# Altium PCB COPY_HIVE_BOARD.PcbDoc (part 4 of 9)
Units mm, origin at the board's own origin, x right, y up, seen from the top; angles counter-clockwise.
Board outline 110 x 110 mm, 8 copper layers (Top, GND_1, Signal_1, GND_2, PWR, Signal_2, GND_3, Bottom), stack 1.6 mm thick; 674 components, 473 nets, 2528 pads, 2100 vias.
Unrouted connection lines stored in the file: 14.
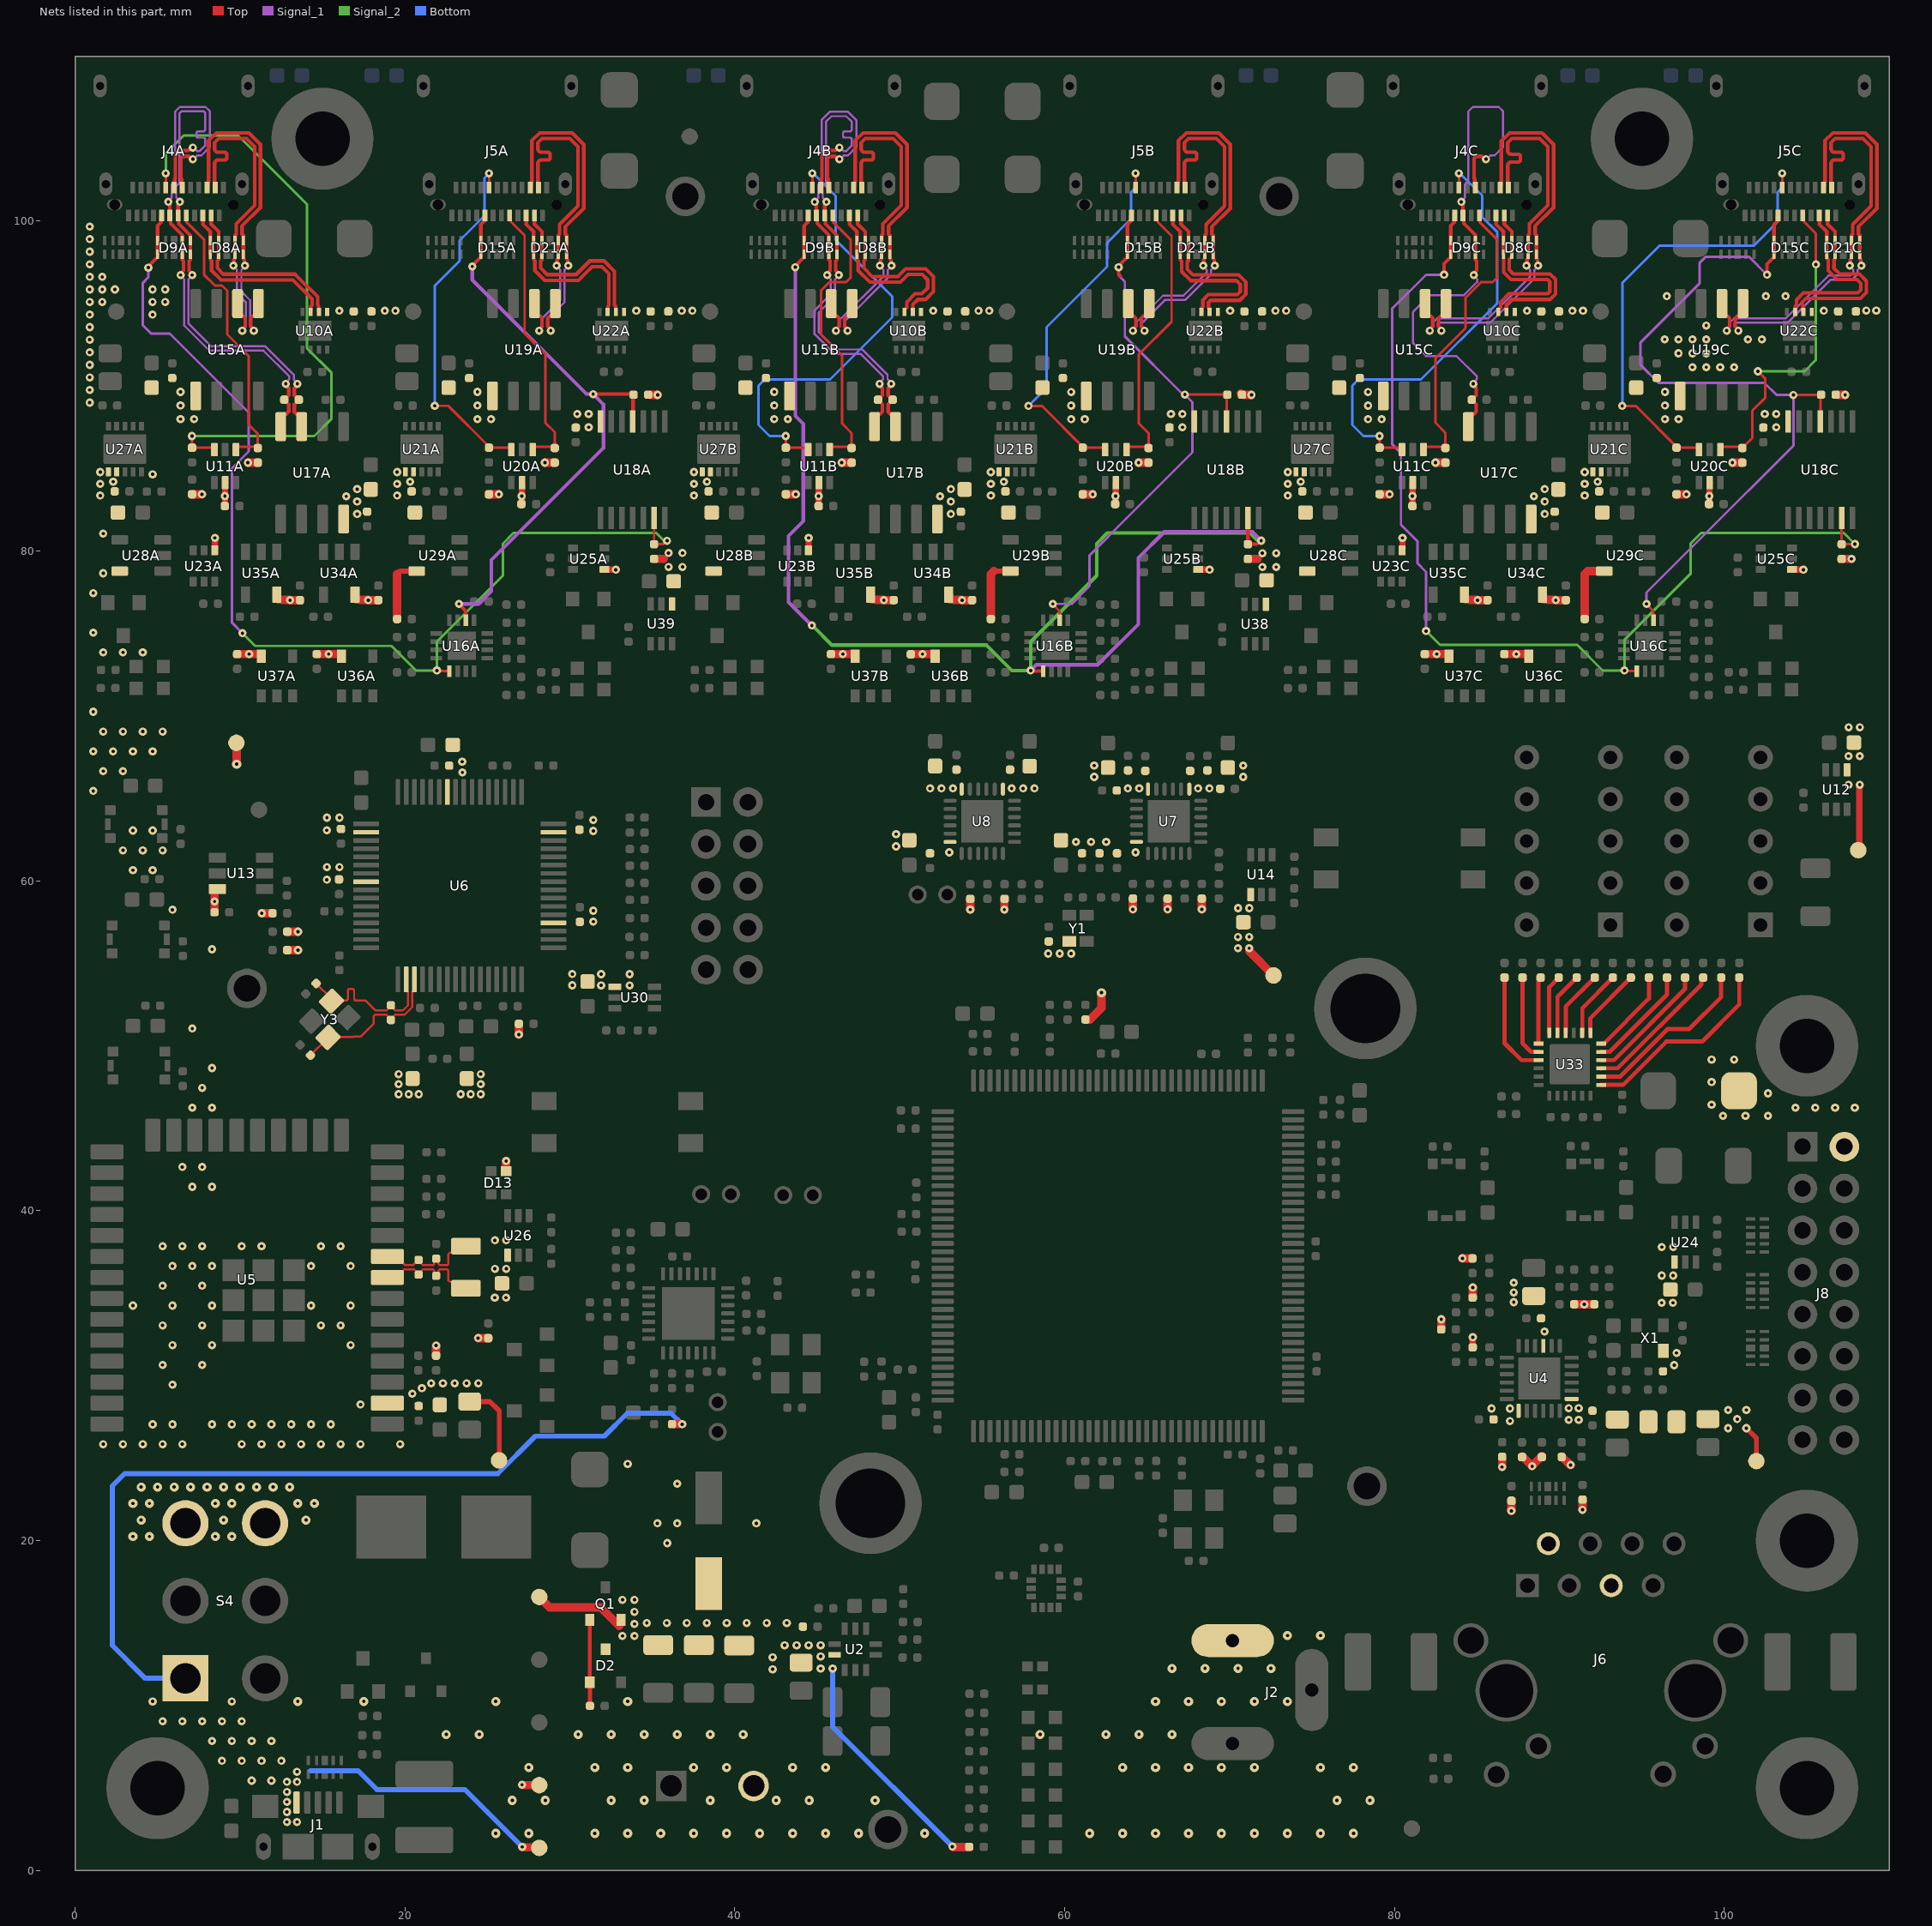
[diagram p10: the nets of this part, all layers, seen from the top]

## Via types
v1: diameter 0.5, hole 0.2, Top to Bottom, tented both sides, 1950 vias
v2: diameter 0.55, hole 0.2, Top to Bottom, tented both sides, 104 vias
v3: diameter 0.5, hole 0.2, Top to Bottom, 41 vias
v4: diameter 0.5, hole 0.2, Top to Bottom, tented bottom, 5 vias

## Nets (pads, with @x,y where several pads share a name; then routed paths per layer and width w, separated by ;. In a path a pad name is that pad's centre, name@x,y a point inside that pad or via, vN(x,y) a via of type N, cw(c..) or ccw(c..) an arc to the next point about the centre after c; other vN are vias at no path point) (continued)
3V3_CH: C108A.2 C108B.2 C108C.2 C109A.2 C109B.2 C109C.2 C110A.1 C110B.1 C110C.1 C112.1 C113A.2 C113B.2 C113C.2 C114A.1 C114B.1 C114C.1 C115A.1 C115B.1 C115C.1 C118A.1 C118B.1 C118C.1 C119A.1 C119B.1 C119C.1 C120A.1 C120B.1 C120C.1 C121A.1 C121B.1 C121C.1 C122A.1 C122B.1 C122C.1 C125A.2 C125B.2 C125C.2 C126A.2 C126B.2 C126C.2 C145A.1 C145B.1 C145C.1 C146A.1 C146B.1 C146C.1 C150A.1 C150B.1 C150C.1 C151A.1 C151B.1 C151C.1 C153.1 C155.1 R93A.1 R93B.1 R93C.1 R95A.1 R95B.1 R95C.1 R99A.1 R99B.1 R99C.1 R112A.1 R112B.1 R112C.1 R117A.1 R117B.1 R117C.1 R119A.1 R119B.1 R119C.1 TP17.1 U10A.5 U10B.5 U10C.5 U11A.5 U11B.5 U11C.5 U12.1 U15A.1 U15B.1 U15C.1 U17A.8 U17B.8 U17C.8 U18A.14 U18B.14 U18C.14 U19A.1 U19B.1 U19C.1 U20A.5 U20B.5 U20C.5 U22A.5 U22B.5 U22C.5 U23A.1 U23B.1 U23C.1 U25A.1 U25B.1 U25C.1 U34A.5 U34B.5 U34C.5 U35A.5 U35B.5 U35C.5 U36A.5 U36B.5 U36C.5 U37A.5 U37B.5 U37C.5 U38.1 U39.1 | length 45.3
  Top w0.381: v1(8.478,80.793) 8.478,80.193 U23A.1@8.484,80.188 ; C110A.1@9.062,82.842 9.093,82.874 9.093,84.137 U11A.5@9.102,84.146 ; C120A.1@27.062,82.842 27.093,82.874 27.093,84.137 U20A.5@27.102,84.146 ; U25A.1@32.182,78.867 v1(32.782,78.867) ; v1(44.478,80.793) 44.478,80.193 U23B.1@44.484,80.188 ; C110B.1@45.062,82.842 45.093,82.874 45.093,84.137 U11B.5@45.102,84.146 ; C120B.1@63.062,82.842 63.093,82.874 63.093,84.137 U20B.5@63.102,84.146 ; U25B.1@68.182,78.867 v1(68.782,78.867) ; v1(80.478,80.793) 80.478,80.193 U23C.1@80.484,80.188 ; C110C.1@81.062,82.842 81.093,82.874 81.093,84.137 U11C.5@81.102,84.146 ; C120C.1@99.062,82.842 99.093,82.874 99.093,84.137 U20C.5@99.102,84.146 ; U25C.1@104.182,78.867 v1(104.782,78.867) ; TP17.1@108.109,61.865 108.184,61.939 108.184,65.808 v1(108.206,65.831)
  Top w0.508: R93A.1@7.089,83.434 R93A.1@7.095,83.44 v1(7.695,83.44) ; C151A.1@9.83,73.749 11.272,73.749 11.293,73.728 U37A.5@11.293,73.615 ; v1(10.482,85.356) R95A.1@11.082,85.356 R95A.1@11.088,85.362 ; U35A.5@12.234,77.358 12.234,77.133 12.318,77.048 12.543,77.048 12.549,77.042 13.013,77.042 v1(13.035,77.019) C146A.1@13.635,77.019 C146A.1@13.641,77.025 ; C150A.1@14.656,73.749 U36A.5@16.098,73.749 ; U34A.5@16.973,77.358 16.973,77.133 17.057,77.048 17.282,77.048 17.288,77.042 17.752,77.042 v1(17.775,77.019) 18.375,77.019 C118A.1@18.38,77.025 ; R112A.1@25.089,83.434 R112A.1@25.095,83.44 v1(25.695,83.44) ; v1(28.482,85.356) R117A.1@29.082,85.356 R117A.1@29.088,85.362 ; R119A.1@34.848,89.467 v1(35.32,89.467) ; R99A.1@35.105,79.521 35.705,79.521 ; R93B.1@43.089,83.434 R93B.1@43.095,83.44 v1(43.695,83.44) ; C151B.1@45.83,73.749 47.272,73.749 47.293,73.728 U37B.5@47.293,73.615 ; v1(46.482,85.356) R95B.1@47.082,85.356 R95B.1@47.088,85.362 ; U35B.5@48.234,77.358 48.234,77.133 48.318,77.048 48.543,77.048 48.549,77.042 49.013,77.042 v1(49.035,77.019) C146B.1@49.635,77.019 C146B.1@49.641,77.025 ; C150B.1@50.656,73.749 U36B.5@52.098,73.749 ; U34B.5@52.973,77.358 52.973,77.133 53.057,77.048 53.282,77.048 53.288,77.042 53.752,77.042 v1(53.775,77.019) 54.375,77.019 C118B.1@54.38,77.025 ; R112B.1@61.089,83.434 R112B.1@61.095,83.44 v1(61.695,83.44) ; v1(64.482,85.356) R117B.1@65.082,85.356 R117B.1@65.088,85.362 ; R119B.1@70.684,89.541 R119B.1@70.748,89.477 ; R119B.1@70.848,89.467 v1(71.32,89.467) ; R99B.1@71.105,79.521 71.705,79.521 ; R93C.1@79.089,83.434 R93C.1@79.095,83.44 v1(79.695,83.44) ; C151C.1@81.83,73.749 v1(82.551,73.749) 83.272,73.749 83.293,73.728 U37C.5@83.293,73.615 ; v1(82.482,85.356) R95C.1@83.082,85.356 R95C.1@83.088,85.362 ; U35C.5@84.234,77.358 84.234,77.133 84.318,77.048 84.543,77.048 84.549,77.042 85.013,77.042 v1(85.035,77.019) C146C.1@85.635,77.019 C146C.1@85.641,77.025 ; C150C.1@86.656,73.749 U36C.5@88.098,73.749 ; U34C.5@88.973,77.358 88.973,77.133 89.057,77.048 89.282,77.048 89.288,77.042 89.752,77.042 v1(89.775,77.019) 90.375,77.019 C118C.1@90.38,77.025 ; R112C.1@97.089,83.434 R112C.1@97.095,83.44 v1(97.695,83.44) ; v1(100.482,85.356) R117C.1@101.082,85.356 R117C.1@101.088,85.362 ; R119C.1@106.848,89.467 v1(107.32,89.467) ; R99C.1@107.105,79.521 v1(107.705,79.521)
  other v1: 107.519,65.831 107.519,67.562 108.206,67.562 107.529,69.311 108.212,69.311 10.551,73.749 15.377,73.749 46.551,73.749 51.377,73.749 87.377,73.749 35.984,79.037 36.826,79.037 71.984,79.026 72.826,79.026 71.984,79.868 72.826,79.868 35.984,79.879 36.826,79.879 17.101,82.245 53.101,82.245 89.101,82.245 17.101,82.999 53.101,82.999 89.101,82.999 9.08,83.328 16.444,83.314 27.081,83.328 45.08,83.328 52.444,83.314 63.081,83.328 81.08,83.328 88.444,83.314 99.081,83.328 17.101,83.753 53.101,83.753 89.101,83.753 31.14,87.503 67.14,87.503 103.14,87.503 6.391,87.993 7.217,87.993 24.391,87.993 25.217,87.993 42.391,87.993 43.217,87.993 60.393,87.991 61.22,87.991 78.393,87.991 79.22,87.991 96.391,87.993 97.217,87.993 30.442,88.305 31.14,88.305 66.442,88.305 67.14,88.305 102.442,88.305 103.14,88.305 6.391,88.819 24.391,88.819 42.391,88.819 60.393,88.817 78.393,88.817 96.391,88.819 6.391,89.646 24.391,89.646 42.391,89.646 60.393,89.643 78.393,89.643 96.391,89.646 16.027,94.564 18.779,94.564 19.426,94.564 34.027,94.564 36.779,94.564 37.426,94.564 52.027,94.564 54.779,94.564 55.426,94.564 70.027,94.564 72.779,94.564 73.426,94.564 88.027,94.564 90.779,94.564 91.426,94.564 106.027,94.564 108.599,94.579 109.206,94.579
3V3_CL: C87.1 C88.2 C89.2 C92.2 C93.2 C95.2 C98.2 C99.2 C100.1 C101.2 C102.2 C103.2 C104.2 C105.1 C106.2 C107.1 C116.1 C130.2 C131.1 C132.1 R80.2 R81.2 R85.2 R87.2 R89.2 R182.2 TP11.1 U7.6 U7.19 U7.24 U8.6 U8.19 U8.24 U14.1 Y1.4 | length 7.7
  Top w0.508: v1(54.275,58.262) R87.2@54.275,58.913 ; v1(56.346,58.262) R89.2@56.346,58.913 ; R182.2@61.258,51.593 61.537,51.593 62.229,52.286 v2(62.229,53.22) ; v1(64.135,58.277) R81.2@64.135,58.928 ; v1(66.238,58.277) R80.2@66.238,58.928 ; v1(68.311,58.277) R85.2@68.311,58.928 ; v1(71.184,55.917) 71.184,55.745 TP11.1@72.662,54.268
  other v1: 58.999,55.593 59.695,55.593 60.392,55.593 70.501,55.917 70.501,56.6 71.184,56.6 70.507,58.348 71.194,58.348 53.001,61.726 64.301,61.726 49.78,62.092 60.68,62.369 61.598,62.369 62.516,62.369 49.78,62.834 51.84,65.608 52.53,65.608 53.22,65.608 56.788,65.608 57.478,65.608 58.168,65.608 63.83,65.608 64.52,65.608 68.088,65.608 68.778,65.608 61.786,66.306 70.821,66.306 61.786,66.996 70.821,66.996
3V3_DEB: C55.1 C57.1 C58.1 C69.1 C79.1 C84.1 C90.1 C137.1 L4.1 L6.1 R66.2 R67.2 R68.2 R69.2 TP20.1 U6.20 U6.31 U6.42 U6.50 U6.56 U13.6 U30.1 | length 5.5
  Top w0.508: C84.1@8.457,58.098 v1(8.457,58.749) 8.457,59.46 8.503,59.506 U13.6@8.636,59.506 ; TP20.1@9.782,68.372 9.792,68.361 9.792,67.089 v2(9.8,67.081) ; v1(11.322,58.04) R67.2@11.974,58.04 ; R69.2@12.865,55.804 v1(13.516,55.804) ; R68.2@12.865,56.922 v1(13.516,56.922) ; v1(26.906,50.685) R66.2@26.906,51.336
  other v1: 19.62,47.065 20.229,47.065 20.839,47.065 23.379,47.065 23.988,47.065 24.598,47.065 19.62,47.675 24.598,47.675 19.62,48.284 24.598,48.284 31.895,53.661 33.627,53.661 30.147,53.671 31.895,54.349 33.627,54.349 30.147,54.354 31.42,57.531 31.42,58.191 15.265,60.068 15.27,60.836 16.03,60.836 31.42,63.031 15.265,63.068 31.42,63.691 15.27,63.836 16.03,63.836 23.481,66.579 23.47,67.223
3V3_ETH: C34.2 C50.2 C59.2 C65.1 C134.1 L3.1 R45.2 R53.2 R58.2 R60.2 R73.2 R156.2 TP19.1 U4.9 U24.1 X1.4 | length 5.9
  Top w0.305: v1(101.329,26.82) 101.935,26.214 TP19.1@101.935,24.823
  Top w0.381: R73.2@84.737,31.72 v1@84.737,32.334
  Top w0.508: R45.2@82.828,32.808 v1@82.828,33.422 ; v1@84.111,37.112 R156.2@84.725,37.112 ; R60.2@84.737,34.734 v1@84.737,35.348 ; R53.2@90.888,34.33 R58.2@92.117,34.33
  other v1: 100.226,26.82 100.778,27.372 100.226,27.923 101.329,27.923 96.956,30.642 97.094,31.379 84.742,32.334 89.089,32.68 82.833,33.422 91.503,34.325 96.193,34.417 96.876,34.417 87.224,34.459 87.224,35.052 84.742,35.348 87.224,35.645 96.201,36.069 96.888,36.069 84.111,37.117 96.201,37.801 96.888,37.801
3V3_PHY: C39.1 C40.1 C51.1 C52.1 C53.1 J6.2 J6.5 L3.2 R41.2 R42.2 R43.2 R44.2 U4.1 U4.19 | length 4.4
  Top w0.381: R41.2@87.726,25.072 87.726,25.126 R41.2@87.753,25.099 ; v1@88.328,24.525 v1(88.341,24.511) ; R43.2@90.132,25.072 R43.2@90.132,25.111 ; v1@90.656,24.587 v1(90.678,24.587)
  Top w0.508: v1@86.523,24.469 R42.2@86.523,25.083 ; v1@87.086,21.805 C39.1@87.086,22.419 ; R41.2@87.753,25.099 v1@88.328,24.525 ; v1@88.314,24.511 R44.2@88.929,25.126 ; R43.2@90.132,25.111 v1@90.656,24.587 ; v1@91.396,21.875 C40.1@91.396,22.489
  other v1: 87.081,21.805 91.391,21.875 86.518,24.469 86.995,27.251 90.558,27.326 91.162,27.326 85.877,28.016 86.995,28.016 90.558,28.03 91.162,28.03
3V3_WR: C62.2 C63.1 C64.2 C138.1 D13.3 R91.2 R92.2 TP18.1 U5.2 U26.1 | length 6.8
  Top w0.305: C62.2@23.926,28.433 25.15,28.433 25.719,27.864 TP18.1@25.719,24.978
  Top w0.508: R91.2@21.889,31.215 v1@21.889,31.83 ; v1@24.437,32.278 R92.2@25.051,32.278 ; D13.3@26.129,42.407 v1@26.129,43.021
  other v1: 20.448,28.911 21.029,29.239 21.587,29.54 22.304,29.54 23.021,29.54 23.738,29.54 24.455,29.54 21.894,31.83 24.437,32.283 25.449,34.73 26.132,34.73 25.454,36.479 26.142,36.479 25.454,38.211 26.142,38.211 26.134,43.021
5V: C32.2 C33.2 C35.2 C76.2 C111A.1 C111B.1 C111C.1 C124A.2 C124B.2 C124C.2 C139A.1 C139B.1 C139C.1 C140A.2 C140B.2 C140C.2 C147.1 D2.3 D27.1 J8.2 Q1.2 R11.1 R21.2 R107A.1 R107B.1 R107C.1 TP2.1 U2.2 U21A.1 U21A.2 U21B.1 U21B.2 U21C.1 U21C.2 U27A.1 U27A.2 U27B.1 U27B.2 U27C.1 U27C.2 U28A.5 U28B.5 U28C.5 U29A.5 U29B.5 U29C.5 | length 32.3
  Top w0.305: 19.528,78.602 19.706,78.781 U29A.5@20.713,78.781 ; 55.706,78.781 U29B.5@56.713,78.781
  Top w0.508: R107A.1@19.528,75.874 19.528,78.602 ; TP2.1@28.143,16.586 28.778,15.951 31.877,15.951 Q1.2@32.993,14.835 ; v1@53.22,1.426 R11.1@54.198,1.426 ; R107B.1@55.528,75.874 55.528,78.602 55.706,78.781 ; R107C.1@91.528,75.874 91.528,78.602 91.706,78.781 U29C.5@92.713,78.781
  Bottom w0.305: v1(45.932,12.251) 45.932,8.714 v1(53.192,1.455)
  other v1: 42.29,12.201 45.204,12.251 42.29,12.929 45.204,12.979 43.019,13.658 43.747,13.658 44.475,13.658 45.204,13.658 33.189,14.226 33.917,14.226 33.917,14.954 34.663,15.011 35.875,15.011 37.087,15.011 38.299,15.011 39.511,15.011 40.723,15.011 41.935,15.011 43.147,15.011 33.917,15.683 33.189,16.411 33.917,16.411 35.906,19.852 35.306,21.052 36.506,21.052 41.306,21.052 36.506,23.452 33.506,24.652 1.706,25.852 2.906,25.852 4.106,25.852 5.306,25.852 6.506,25.852 10.106,25.852 11.306,25.852 12.506,25.852 13.706,25.852 14.906,25.852 16.106,25.852 17.306,25.852 19.706,25.852 4.706,27.052 5.906,27.052 8.306,27.052 9.506,27.052 10.706,27.052 11.906,27.052 13.106,27.052 14.306,27.052 15.506,27.052 17.306,28.252 5.906,29.452 5.306,30.652 7.706,30.652 5.906,31.852 8.306,31.852 16.706,31.852 5.306,33.052 7.706,33.052 14.906,33.052 16.106,33.052 3.506,34.252 5.906,34.252 8.306,34.252 14.306,34.252 16.706,34.252 5.306,35.452 7.706,35.452 5.906,36.652 7.106,36.652 8.306,36.652 14.306,36.652 16.706,36.652 5.306,37.852 6.506,37.852 7.706,37.852 10.106,37.852 11.306,37.852 14.906,37.852 16.106,37.852 7.106,41.452 8.306,41.452 6.506,42.652 7.706,42.652 99.907,45.751 101.272,45.751 102.638,45.751 7.106,46.252 8.306,46.252 104.306,46.252 105.506,46.252 106.706,46.252 107.906,46.252 99.224,46.434 102.638,47.117 7.706,47.452 99.224,47.8 8.306,48.652 99.224,49.166 100.59,49.166 7.106,51.052 8.306,55.852 5.906,58.252 3.506,60.652 4.706,60.652 2.906,61.852 4.106,61.852 5.306,61.852 3.506,63.052 4.706,63.052 1.106,65.452 1.706,66.652 2.906,66.652 1.106,67.852 2.306,67.852 3.506,67.852 4.706,67.852 1.706,69.052 2.906,69.052 4.106,69.052 5.306,69.052 1.106,70.252 1.706,73.852 2.906,73.852 4.106,73.852 1.106,75.052 1.106,77.452 1.706,78.652 1.706,81.052 1.524,83.363 19.524,83.363 37.524,83.363 55.524,83.363 73.524,83.363 91.524,83.363 1.524,84.074 19.524,84.074 37.524,84.074 55.524,84.074 73.524,84.074 91.524,84.074 2.311,84.201 20.311,84.201 38.311,84.201 56.311,84.201 74.311,84.201 92.311,84.201 4.706,84.652 1.524,84.785 19.524,84.785 37.524,84.785 55.524,84.785 73.524,84.785 91.524,84.785 0.889,88.998 0.889,89.76 0.889,90.523 98.056,91.144 98.898,91.144 99.74,91.144 100.583,91.144 0.889,91.285 97.214,91.986 98.056,91.986 98.898,91.986 0.889,92.048 0.889,92.81 96.372,92.828 97.214,92.828 98.056,92.828 98.898,92.828 101.425,92.828 102.267,92.828 0.889,93.572 98.898,93.67 0.889,94.335 4.701,94.335 0.889,95.097 1.651,95.097 4.701,95.097 5.463,95.097 96.506,95.452 102.506,95.452 103.706,95.452 0.889,95.86 1.651,95.86 2.413,95.86 4.701,95.86 5.463,95.86 0.889,96.622 1.651,96.622 0.889,97.384 0.889,98.147 0.889,98.909 0.889,99.672
5V_CONN: J2.1 J3.2 S4.3 S4.6 TP3.1 | length 1
  Top w0.508: v1@27.129,5.176 TP3.1@28.107,5.176
  other v1: 27.101,5.204
  other v2: 25.507,2.252 27.507,2.252 31.507,2.252 33.507,2.252 35.507,2.252 37.507,2.252 39.507,2.252 41.507,2.252 43.507,2.252 45.507,2.252 47.507,2.252 51.507,2.252 61.507,2.252 63.507,2.252 65.507,2.252 67.507,2.252 69.507,2.252 71.507,2.252 73.507,2.252 75.507,2.252 77.507,2.252 26.507,4.252 28.507,4.252 32.507,4.252 34.507,4.252 38.507,4.252 42.507,4.252 44.507,4.252 48.507,4.252 76.507,4.252 78.507,4.252 27.507,6.252 31.507,6.252 33.507,6.252 37.507,6.252 39.507,6.252 43.507,6.252 45.507,6.252 63.507,6.252 65.507,6.252 67.507,6.252 69.507,6.252 71.507,6.252 75.507,6.252 77.507,6.252 22.507,8.252 24.507,8.252 30.507,8.252 32.507,8.252 34.507,8.252 36.507,8.252 38.507,8.252 40.507,8.252 58.507,8.252 62.507,8.252 64.507,8.252 66.507,8.252 13.507,10.252 17.507,10.252 25.507,10.252 33.507,10.252 65.507,10.252 67.507,10.252 69.507,10.252 71.507,10.252 73.507,10.252 66.507,12.252 68.507,12.252 70.507,12.252 72.507,12.252 73.507,14.252 75.507,14.252 3.507,20.252 4.507,20.252 8.507,20.252 9.507,20.252 4.007,21.252 9.007,21.252 14.007,21.252 3.507,22.252 4.507,22.252 8.507,22.252 9.507,22.252 13.507,22.252 14.507,22.252 4.007,23.252 5.007,23.252 6.007,23.252 7.007,23.252 8.007,23.252 9.007,23.252 10.007,23.252 11.007,23.252 12.007,23.252 13.007,23.252
5V_POL_G: D2.1 Q1.1 R12.1 | length 5.2
  Top w0.254: Q1.1@31.206,15.196 D2.1@31.206,11.417 31.213,11.41 31.213,9.987 R12.1@31.22,9.98
5V_USB: J1.1 R7.1 S4.1 TP1.1 | length 68
  Top w0.508: v1(27.109,1.431) 27.137,1.403 28.115,1.403 TP1.1@28.143,1.375 ; R7.1@36.191,27.063 v1@36.806,27.063
  Bottom w0.305: S4.1@6.692,11.653 4.256,11.653 2.26,13.649 2.26,23.316 3.006,24.062 25.634,24.062 27.908,26.336 32.089,26.336 33.485,27.732 36.132,27.732 v1(36.806,27.058) ; 14.268,6.056 17.157,6.056 18.302,4.911 23.629,4.911 v1(27.109,1.431)
  other v1: 12.848,2.942 13.458,2.942 12.848,3.551 12.848,4.161 12.848,4.77 12.848,5.38 13.458,5.38 10.706,5.452 11.906,5.452 13.458,5.99 8.906,6.652 10.106,6.652 11.306,6.652 12.506,6.652 8.306,7.852 9.506,7.852 10.706,7.852 11.906,7.852 5.306,9.052 6.506,9.052 7.706,9.052 8.906,9.052 10.106,9.052 4.706,10.252 9.506,10.252
7SEG_A_0: R136.1 U33.5 | length 6.5
  Top w0.254: U33.5@92.524,49.636 93.034,49.636 96.517,53.119 R136.1@96.517,54.138
7SEG_A_1: R135.1 U33.13 | length 4.1
  Top w0.254: U33.13@88.724,50.136 88.724,53.994 88.854,54.124 R135.1@88.854,54.138
7SEG_B_0: R138.1 U33.6 | length 5.3
  Top w0.254: U33.6@92.524,50.136 92.69,50.136 92.704,50.15 95.423,52.868 R138.1@95.423,54.138
7SEG_B_1: R137.1 U33.14 | length 5.2
  Top w0.254: R137.1@87.759,54.138 87.759,50.154 88.27,49.643 88.717,49.643 U33.14@88.724,49.636
7SEG_C_0: R140.1 U33.7 | length 4.4
  Top w0.254: U33.7@91.874,50.786 91.874,51.684 R140.1@94.328,54.138
7SEG_C_1: R139.1 U33.15 | length 6.5
  Top w0.254: R139.1@86.664,54.138 86.664,50.159 87.687,49.136 U33.15@88.724,49.136
7SEG_D_0: R142.1 U33.4 | length 7.6
  Top w0.254: U33.4@92.524,49.136 93.303,49.136 97.612,53.445 R142.1@97.612,54.138
7SEG_D_1: R141.1 U33.12 | length 3.6
  Top w0.254: U33.12@89.374,50.786 89.374,53.563 R141.1@89.949,54.138
7SEG_E_0: R144.1 U33.3 | length 8.6
  Top w0.254: U33.3@92.524,48.636 92.531,48.643 93.525,48.643 98.596,53.714 98.596,54.026 R144.1@98.707,54.138
7SEG_E_1: R143.1 U33.11 | length 3.8
  Top w0.254: U33.11@89.874,50.786 89.874,52.968 R143.1@91.043,54.138
7SEG_F_0: R146.1 U33.1 | length 12
  Top w0.254: U33.1@92.524,47.636 93.852,47.636 96.474,50.258 98.651,50.258 100.897,52.504 R146.1@100.897,54.138
7SEG_F_1: R145.1 U33.8 | length 4.1
  Top w0.254: U33.8@91.374,50.786 91.385,50.797 91.385,52.289 R145.1@93.233,54.138
7SEG_G_0: R148.1 U33.2 | length 10.5
  Top w0.254: U33.2@92.524,48.136 92.531,48.143 93.685,48.143 96.559,51.017 97.866,51.017 99.802,52.953 R148.1@99.802,54.138
7SEG_G_1: R147.1 U33.10 | length 4.1
  Top w0.254: U33.10@90.374,50.786 90.374,52.373 R147.1@92.138,54.138
12M_X_N: C75.2 R70.1 U6.3 Y3.3 | length 9.4
  Top w0.127: C75.2@14.275,49.428 Y3.3@15.2,50.353 ; Y3.3@15.338,50.511 15.374,50.546 16.869,50.546 16.878,50.555 17.309,50.555 18.112,51.358 18.112,51.818 18.186,51.892 18.875,51.892 R70.1@19.149,51.618 ; R70.1@19.149,51.57 R70.1@19.149,51.618 ; U6.3@20.571,54.022 20.571,53.382 20.448,53.259 20.448,52.356 19.979,51.887 19.414,51.887 19.34,51.813 19.34,51.808 R70.1@19.149,51.618
12M_X_P: C74.2 R70.2 U6.2 Y3.1 | length 9.4
  Top w0.127: C74.2@14.615,53.781 Y3.1@15.54,52.856 ; Y3.1@15.551,52.703 15.586,52.738 16.351,52.738 16.414,52.738 ccw(c16.414,52.865) 16.541,52.865 16.541,53.338 cw(c16.656,53.338) 16.656,53.453 16.808,53.453 cw(c16.808,53.338) 16.922,53.338 16.922,52.865 ccw(c17.049,52.865) 17.049,52.738 17.403,52.738 17.62,52.738 18.212,52.146 18.885,52.146 R70.2@19.149,52.411 ; R70.2@19.149,52.459 R70.2@19.149,52.411 ; U6.2@20.071,54.022 20.071,53.382 20.194,53.259 20.194,52.462 19.874,52.141 19.419,52.141 R70.2@19.149,52.411
32K_X_N: C67.2 R132.1 U5.9 X3.2 | length 6.6
  Top w0.127: U5.9@18.932,37.229 19.493,37.229 20.019,36.703 20.487,36.703 R132.1@20.806,37.021 ; R132.1@20.828,37.021 20.828,36.973 21.019,36.783 21.019,36.778 21.093,36.704 21.706,36.704 21.78,36.778 21.78,36.983 C67.2@21.895,37.097 22.031,36.962 22.031,36.784 22.034,36.78 22.034,36.778 22.109,36.704 22.378,36.704 ; 22.379,36.703 22.559,36.703 22.633,36.777 22.633,37.37 22.73,37.466 23.313,37.466 X3.2@23.698,37.851
32K_X_P: C66.2 R132.2 U5.8 X3.1 | length 6.6
  Top w0.127: U5.8@18.932,35.959 19.467,35.959 19.958,36.449 20.56,36.449 R132.2@20.828,36.18 ; R132.2@20.828,36.132 R132.2@20.828,36.18 ; 22.274,36.449 22.559,36.449 22.633,36.375 22.633,35.783 22.73,35.686 23.313,35.686 X3.1@23.698,35.301 ; 22.273,36.45 22.109,36.45 22.034,36.375 22.034,36.374 22.031,36.37 22.031,36.192 C66.2@21.895,36.056 21.78,36.171 21.78,36.375 21.706,36.45 21.093,36.45 21.019,36.375 21.019,36.371 R132.2@20.828,36.18
BB_CC1_0A: J4A.A5 R95A.2 U11A.1 | length 17.6
  Top w0.152: J4A.A5@6.75,100.34 6.75,99.956 7.812,98.893 7.812,96.76 8.484,96.088 8.915,96.088 9.22,95.783 9.22,93.127 10.525,91.822 10.525,87.661 11.082,87.104 R95A.2@11.082,86.314 ; U11A.1@9.752,86.146 9.752,86.266 9.799,86.314 11.013,86.314 R95A.2@11.082,86.245